# Altium PCB CarrierMotherboard.PcbDoc (part 6 of 6)
Units mm, origin at the board's own origin, x right, y up, seen from the top; angles counter-clockwise.
Board outline 152.4 x 101.6 mm, 8 copper layers (L1-CU, GND, L3-CU-PWR, L4-CU, L5-CU-GND, L6-CU, L7-CU-GND, L8-CU), stack 1.524 mm thick; 270 components, 270 nets, 1285 pads, 799 vias.
Unrouted connection lines stored in the file: 236.
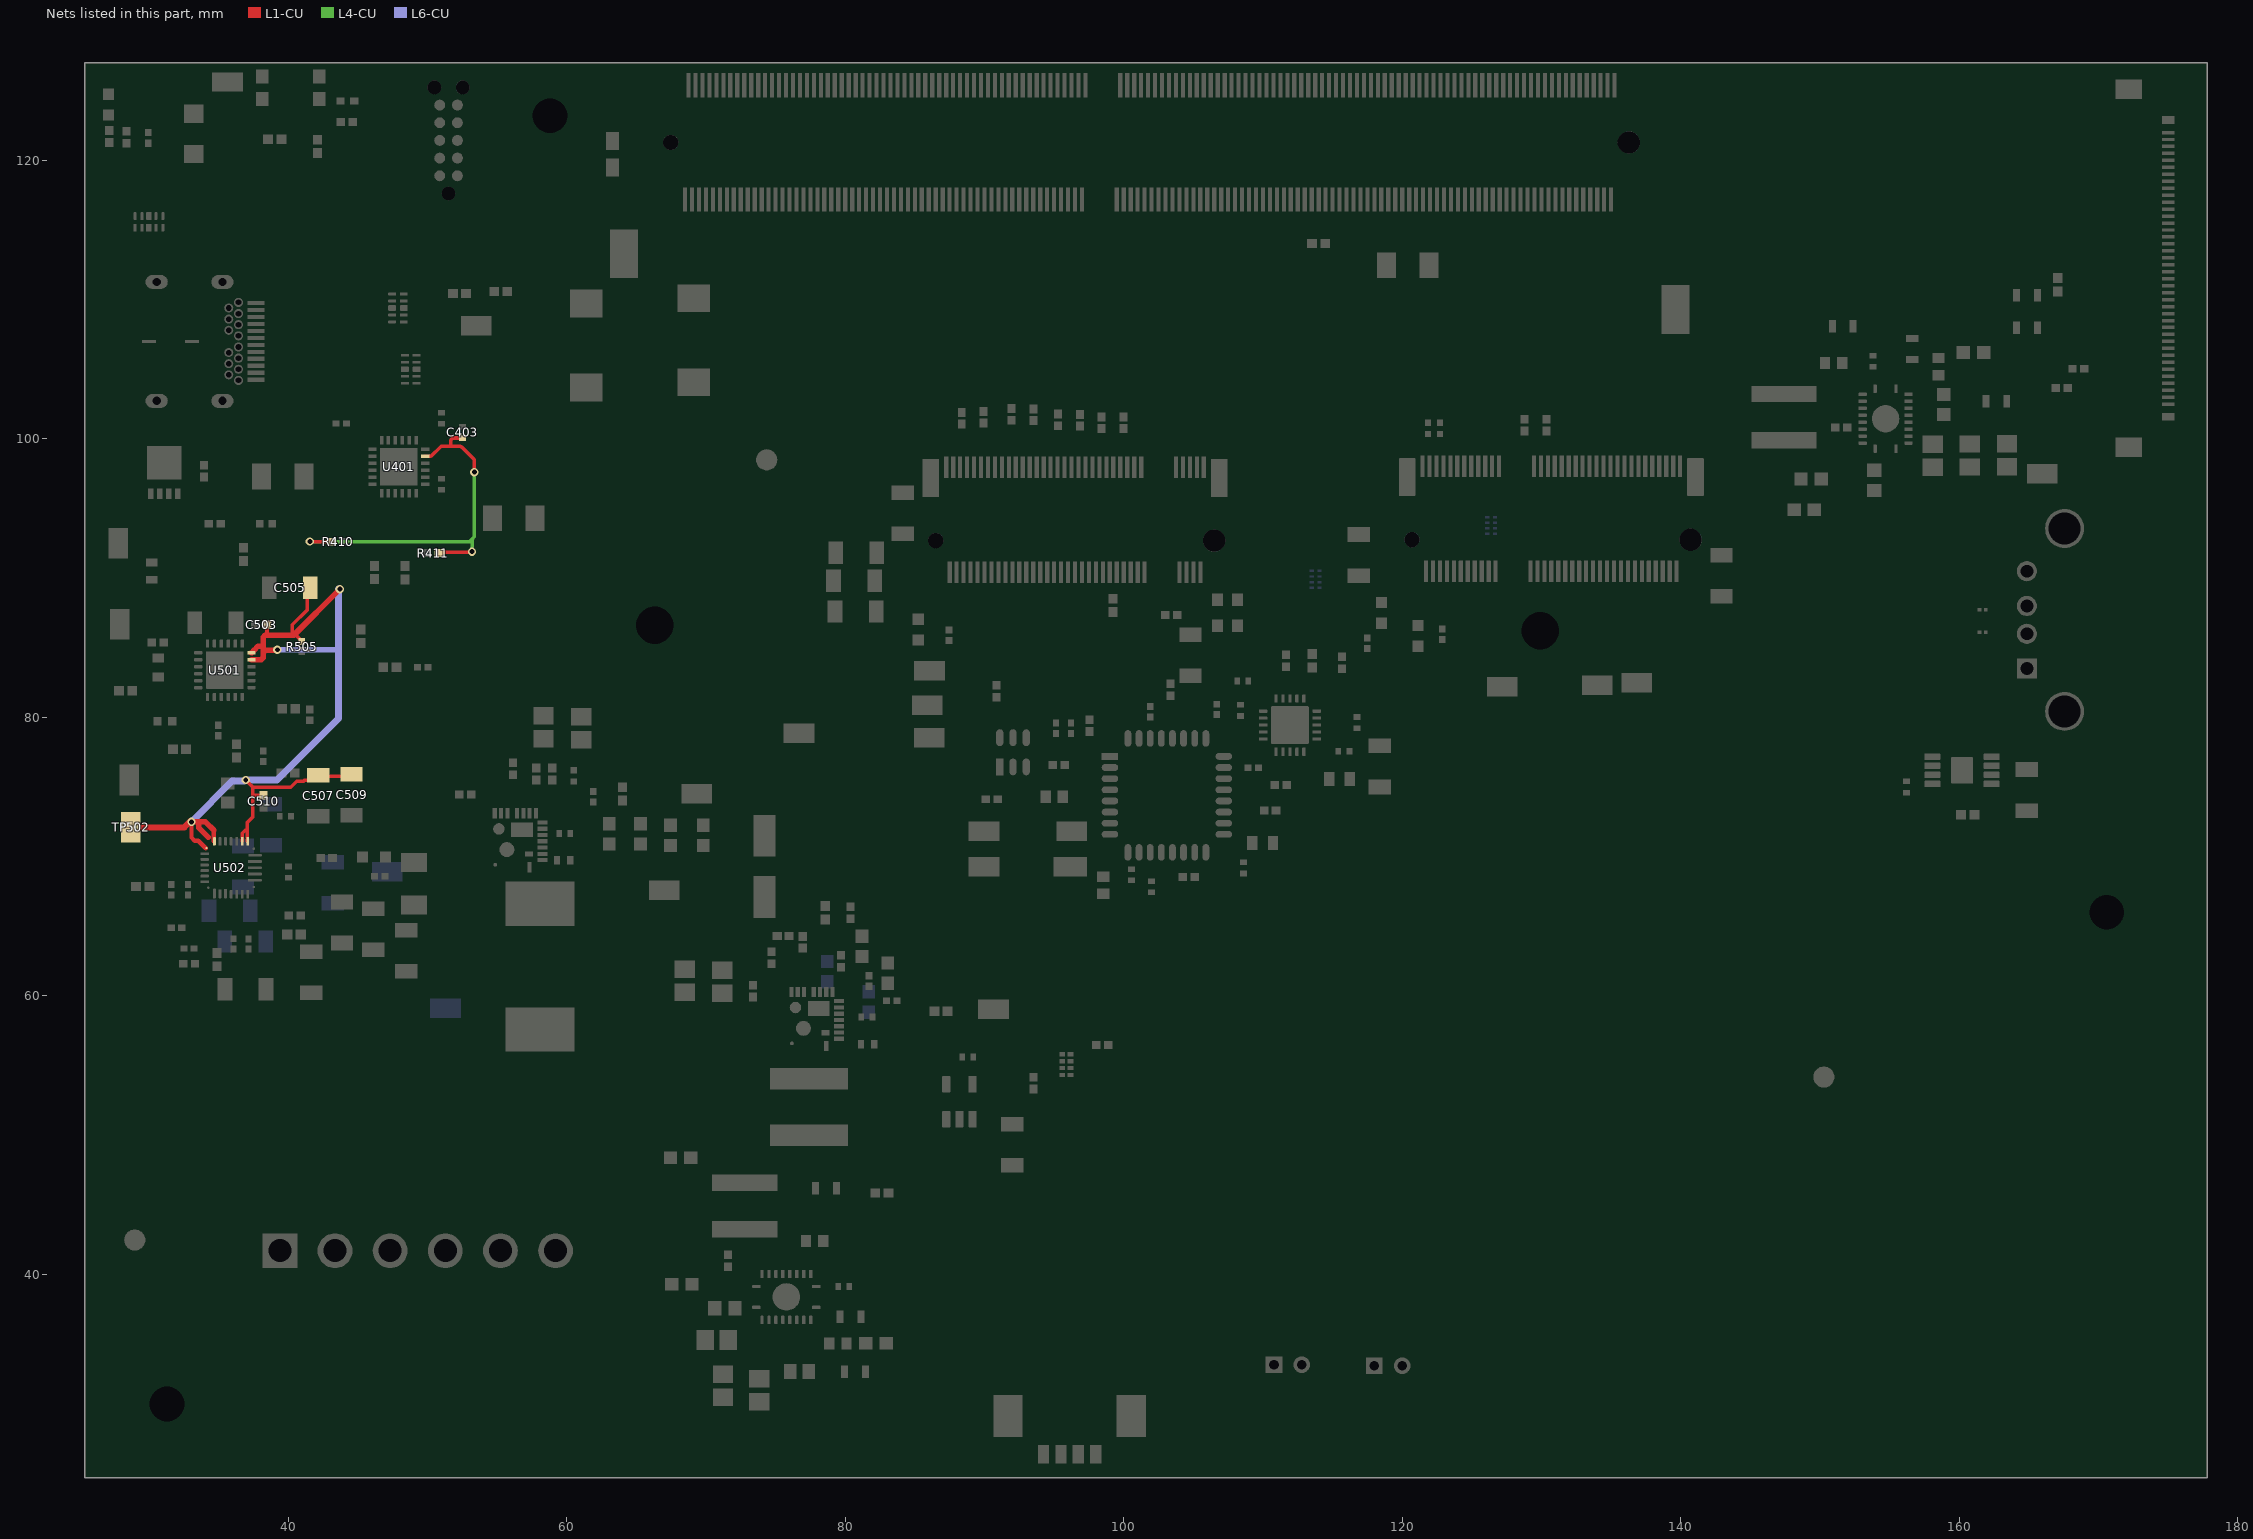
[diagram p12: the nets of this part, all layers, seen from the top]

## Via types
v1: diameter 0.6, hole 0.35, L1-CU to L8-CU, 799 vias

## Nets (pads, with @x,y where several pads share a name; then routed paths per layer and width w, separated by ;. In a path a pad name is that pad's centre, name@x,y a point inside that pad or via, vN(x,y) a via of type N, cw(c..) or ccw(c..) an arc to the next point about the centre after c; other vN are vias at no path point) (continued)
VREG2V7: C403.1 R410.2 R411.2 U401.23 | length 28
  L1-CU w0.254: v1(41.554,92.634) 41.588,92.6 R410.2@43.136,92.6 ; U401.23@49.85,98.75 49.852,98.752 50.252,98.752 50.98,99.48 51.671,99.48 ; R411.2@50.8,91.8 50.85,91.85 53.15,91.85 v1(53.2,91.9) ; C403.1@52.502,100.063 51.819,100.063 51.671,99.915 51.671,99.48 ; v1(53.365,97.612) 53.365,98.518 52.442,99.441 52.4,99.441 52.361,99.48 51.671,99.48
  L4-CU w0.254: v1(41.554,92.634) 41.588,92.6 53,92.6 53.2,92.8 ; v1(53.2,91.9) 53.2,92.8 ; v1(53.365,97.612) 53.365,92.965 53.2,92.8
VSYS_OUT: C503.1 C505.1 C507.1 C509.1 C510.1 R505.2 TP502.1 U501.17 U501.18 U502.2 U502.3 U502.8 U502.9 | length 69
  L1-CU w0.22: U502.3@36.7,71.1 36.7,71.682
  L1-CU w0.254: 36.7,71.682 36.918,71.9 36.953,71.9 37.053,72 ; v1(36.953,75.5) 37.469,74.984 ; U502.2@37.053,71.1 37.053,71.9 37.053,72 ; C510.1@38.167,74.41 37.507,74.41 37.469,74.447 ; 38.478,86.035 C503.1@38.478,86.665 ; R505.2@40.97,85.465 40.97,85.49 40.56,85.9 40.4,85.9 40.301,85.9 40.301,86.656 41.351,87.706 41.351,88.876 C505.1@41.682,89.206 ; C509.1@44.556,75.77 42.322,75.77 42.036,75.484 41.169,75.484 41.103,75.418 40.619,75.418 40.185,74.984 37.469,74.984 ; 37.053,72 37.053,72.451 37.469,72.867 37.469,74.447 ; 37.469,74.447 37.469,74.984
  L1-CU w0.3: v1(33.053,72.5) 33.053,71.369 33.285,71.138 33.54,71.138 U502.9@34.078,70.6 ; U502.8@34.653,71.1 34.653,71.9
  L1-CU w0.4: v1(33.053,72.5) 33.583,72.5 ; 34.253,71.4 33.583,72.07 33.583,72.5 ; 34.653,71.9 34.053,72.5 33.583,72.5 ; U501.17@37.363,84.138 38.051,84.138 38.2,84.286 38.2,84.643 ; U501.18@37.363,84.637 37.373,84.637 37.533,84.797 37.533,84.807 37.84,85.115 38.194,85.115 ; v1(39.218,84.861) 39.179,84.823 38.38,84.823 38.2,84.643 ; 40.301,85.9 38.343,85.9 38.194,85.751 38.194,85.115 ; 40.4,85.9 v1(43.707,89.206) ; 38.194,85.115 38.194,84.637 38.2,84.643
  L1-CU w0.45: TP502.1@28.653,72.1 32.529,72.1 v1@32.929,72.5
  L6-CU w0.254: 43.298,84.861 43.6,84.559
  L6-CU w0.4: v1(39.218,84.861) 43.298,84.861
  L6-CU w0.5: v1(33.053,72.5) 35.977,75.423 36.877,75.423 v1(36.953,75.5) 39.141,75.5 ; 39.188,75.5 43.6,79.912 43.6,84.559 v1@43.6,89.206
pads on no net: J15. J15.3 J15.4 J15.5 J15.6 J15.9 J15.10 J15.11 J15.12 J15.15 J15.16 J15.17 J15.18 J15.21 J15.22 J15.23 J15.24 J15.27 J15.28 J15.29 J15.30 J15.33 J15.34 J15.35 J15.36 J15.39 J15.40 J15.41 J15.42 J15.45 J15.46 J15.47 J15.48 J15.51 J15.52 J15.53 J15.54 J15.57 J15.58 J15.59 J15.60 J15.64 J15.66 J15.70 J15.72 J15.76 J15.78 J15.82 J15.84 J15.88 J15.89 J15.90 J15.91 J15.92 J15.93 J15.94 J15.95 J15.97 J15.104 J15.106 J15.108 J15.110 J15.112 J15.114 J15.116 J15.118 J15.120 J15.122 J15.126 J15.127 J15.128 J15.130 J15.143 J15.145 J15.161 J15.163 J15.166 J15.168 J15.184 J15.186 J15.188 J15.190 J15.192 J15.193 J15.194 J15.195 J15.196 J15.197 J15.198 J15.199 J15.202 J15.203 J15.204 J15.205 J15.206 J15.207 J15.209 J15.211 J15.212 J15.213 J15.215 J15.216 J15.217 J15.218 J15.219 J15.221 J15.223 J15.225 J15.227 J15.228 J15.229 J15.233 J15.235 J15.260 J15.261 J15.262 J301.1 J301.22 J301.34 J301.35 J301.40 J401.A8 J401.B8 J501.4 J701. J701.5 J701.6 J701.7 J701.8 J701.9 J701.10 J702.5 J702.6 J902. J902.6 J902.8 J902.20 J902.22 J902.24 J902.26 J902.28 J902.30 J902.32 J902.34 J902.36 J902.38 J902.46 J902.48 J902.56 J902.58 J902.67 J902.69 J902.76 J902.77 J902A. J902A.9 J902A.11 J902A.13 J902A.15 J902A.17 J902A.19 J902A.21 J902A.23 J902A.38 J902A.40 J902A.42 J902A.44 J902A.46 J902A.48 J902A.55 J902A.59 J902A.61 J902A.62 J902A.64 J902A.65 J902A.66 J902A.67 J902A.68 J902A.70 J902A.71 J902A.73 J902A.S1 J902A.S2 Q401.4 U301.11 U301.12 U301.13 U302.11 U302.12 U302.13 U302.20 U401.11 U401.14 U401.15 U401.17 U401.19 U401.20 U402.6 U402.7 U402.9 U402.10 U403.6 U403.7 U403.9 U403.10 U404.6 U404.7 U404.9 U404.10 U501.3 U501.4 U501.19 U501.20 U501.21 U501.22 U501.23 U501.24 U502.6 U502.7 U502.12 U601.10 U601.11 U601.14 U601.28 U603.10 U603.11 U603.14 U603.28 U702.4 U901.4 U901.5 U902.9 U902.10 U902.14 U902.16 U902.29 U902.31 U902.32 U903.16 U903.20

## Polygon pours and split planes (outlines as drawn)
GND on L7-CU-GND "GND_L07_P003" (solid, remove dead copper, pour order 3): 177.775,25.425 177.749,25.4 25.4,25.4 25.4,127 177.775,127
GND on L5-CU-GND "GND_L05_P002" (solid, remove dead copper, pour order 2): 177.775,25.425 177.749,25.4 25.4,25.4 25.4,127 177.775,127
GND on GND "GND_L02_P000" (solid, remove dead copper, pour order 0): 177.775,25.425 177.749,25.4 25.4,25.4 25.4,127 177.775,127

## Other copper
L3-CU-PWR:
  region net SYS_IN1: 68.35,120.1 68.35,126.75 68.3,126.8 69.656,126.8 69.656,119.956 69.6,119.9
  region net SYS_IN1: 75.616,66.04 75.794,65.862 77.978,65.862 77.978,66.802 77.902,66.878 77.876,66.853 75.616,66.853
  region net SYS_IN1: 75.768,61.849 75.819,61.9 75.819,66.827 74.651,66.827 74.498,66.675 74.622,66.551 74.622,61.917
  region net SYS_IN1: 68.4,123 66.5,123 66.5,126.5 68.4,126.5
  region net SYS_IN1: 67.278,113.822 67.3,113.845 67.3,120.1 69.4,120.1 69.6,119.9 69.6,115.4
  region net SYS_IN1: 62.332,81.559 64.465,110.528 68.624,115.4 71.1,115.4 71.1,104.894
  region net SYS_IN1: 63.26,97.993 50.191,79.679 50.985,78.885 53.5,81.4 63.932,81.4 63.932,97.993
  region net SYS_IN1: 47.5,72.45 47.5,78.1 57.4,84.1 55.7,78.3 53,72.45
  region net SYS_IN1: 54.127,75.463 55.397,75.463 55.397,74.172 55.288,74.062 55.207,74.143 53.645,74.143
  region net SYS_IN1: 47.5,70.95 53,70.95 53,72.45 47.5,72.45
  region net SYS_IN1: 42,69 42,71.2 52.6,71.2 52.6,69
  region net SYS_IN1: 66.482,56.979 65.879,84.18 63.8,83.58 63.964,57.399
  region net SYS_IN1: 43.453,66 40.453,66 40.453,69 43.453,69
  region net SYS_IN1: 66.6,61.9 66.9,62 76.9,62 76.9,61.1 77,61 66.7,61
  region net SYS_IN1: 65.964,58.801 66.015,58.852 73.152,58.852 73.152,57.302 73,57.15 65.762,57.15
  region net SYS_IN1: 66.883,61 65.8,61 65.8,61.9 67.033,61.9
  region net 3V3_M2: 55.519,56.581 53.52,58.58 45.202,58.58 47.156,56.626
  region net 3V3_M2: 34.953,64.9 35.153,64.7 37.453,64.7 37.453,61.1 34.953,63.6
  region net 3V3_M2: 46.003,60.586 37.003,60.586 37.003,61.842 46.003,61.842
  region net 3V3_M2: 31.653,66.4 31.653,65.7 32.853,65.7 32.853,66.4
  region net 3V3_M2: 47.019,64.819 45.441,63.241 45.441,57.781 46.981,57.781
  region net 3V3_M2: 34.039,72.547 35.02,71.567 34.953,63.6 32.74,65.813
  region net 3V3_M2: 46.953,67.996 46.953,61 45.953,61 45.953,67.996
  region net 3V3_M2: 63.5,53.7 52.8,53.7 52.8,58.5 53.1,58.8 63.5,58.8
  region net 3V3_M2: 61.722,58.699 61.697,58.725 61.62,58.725 61.62,71.577 60.782,71.577 60.782,58.471 60.986,58.267
  region net 3V3_M2: 59.792,71.45 62.4,71.45 62.4,74.35 59.792,74.35
  region net 3V3_M2: 46,77.6 38,77.6 38,78 46,78
  region net 3V3_M2: 38,78 38,80 39,80 39,78
  region net 3V3_M2: 45.012,78.14 46.074,77.464 52.065,83.679 51.4,84
  region net 5V_OUT: 80.5,50.1 87.3,50.1 87.3,48.3 80.5,48.3
  region net 5V_OUT: 87.742,48.3 95.275,40.767 95.275,37.211 93.802,37.211 86.03,44.983 86.03,48.3
  region net 5V_OUT: 70.51,52 70.51,47.1 80.4,47.1 80.5,47.1 80.5,52
  region net 5V_OUT: 79.7,51.9 78.8,51.9 78.8,60.1 79.7,60.1
  region net 5V_OUT: 88.367,63.043 87.96,62.636 87.96,60.731 105.131,60.731 106.731,62.332 106.68,62.382 106.68,63.754
  region net 5V_OUT: 78.227,63.373 78.4,63.2 78.4,59.9 88.039,59.9 88.772,66.602
  region net 5V_OUT: 91.956,62.933 91.491,63.398 91.491,75.336 90.5,75.336 90.5,63.045
  region net 5V_OUT: 91.084,80.67 91.084,79.299 93.878,79.299 93.878,80.645
  region net 5V_OUT: 92.775,80.239 93.828,80.239 98.704,75.362 98.222,74.879 96.215,74.879 94.717,76.378 94.717,78.54
  region net 5V_OUT: 94.564,37.236 96.926,37.236 97.13,37.033 97.13,28.88 94.869,28.88 93.751,29.997 93.751,37.211
  region net 5V_OUT: 98.069,76.022 105.029,76.022 105.175,75.877 105.175,74.93 98.03,74.93 97.9,74.8
  region net 5V_OUT: 97.039,77.699 96.037,77.699 96.037,77.089 96.215,76.911 96.876,76.911
  region net 5V_OUT: 105.042,76.01 105.08,76.048 105.08,79.121 107.188,79.121 108.179,78.13 105.512,75.463 105.054,75.463
  region net 5V_OUT: 154.254,63.895 154.254,76.657 151.867,76.657 151.867,64.332
  region net 5V_OUT: 106.68,63.754 105.943,63.017 105.943,61.519 155.346,61.519 155.804,61.976 155.804,64.465
  region net 5V_OUT: 155.397,67.945 151.435,63.983 147.65,63.983 147.65,94.64 149.962,96.952 152.857,94.056 152.857,75.565
  region net 5V_OUT: 107.009,79.006 107.112,79.108 107.112,82.004 106.909,82.182 106.832,82.182 106.197,82.182 106.197,79.108 106.408,78.898
  pour cut-out: 156.261,77.292 156.286,77.267 157.15,77.267
  pour cut-out: 115.24,84.658 115.24,83.922 115.189,83.871
L6-CU:
  region net 3V3_M2: 54.3,59 54.3,54.3 62.6,54.3 62.5,54.4 62.5,59
  region net 3V3_M2: 62.967,64.16 75.565,64.16 75.565,65.535 75.373,65.727 75.305,65.659 62.916,65.659
  region net 3V3_M2: 61.9,59 61.9,67 62,67 63.2,67 63.2,59 62.2,58
  region net 3V3_M2: 63.1,66.969 63.1,65.5 76,65.5 76.91,67.321
  region net 3V3_M2: 76.524,66.494 77.252,68.464 78.842,70.053 76.005,70.053
  region net 3V3_M2: 76.6,66.7 76.5,66.6 75.5,66.6 75.5,71 75.6,70.9 76.7,70.9
  region net 3V3_M2: 89.9,70 75.5,70 75.5,71 89.8,71
  region net 3V3_M2: 88.062,70.993 88.062,77.089 89.052,78.08 89.052,70.891
  region net 3V3_M2: 90.125,87.492 88.875,87.492 88.875,70.192 89.903,69.164
  region net 3V3_M2: 90.747,85.936 88.643,88.574 85.562,88.205
  region net 3V3_M2: 88.748,88.367 88.748,87.351 89.103,86.995 89.281,87.173 90.602,87.173 90.602,88.113 90.322,88.392
  region net 3V3_M2: 90.17,88.214 91.618,89.662 91.618,91.313 85.471,91.313 85.496,91.288 85.496,88.138 86.335,88.138 86.36,88.163
  region net 3V3_M2: 90.093,88.071 92.949,88.263 92.862,90.5 91.567,92.481 87.909,92.481 86.639,91.211
  region net 3V3_M2: 89.801,83.16 111.1,83.16 111.1,84.709 90.475,84.709 89.747,83.981
  region net 3V3_M2: 107.086,84.176 107.086,85.877 106.35,85.877 106.375,85.852 106.375,84.15
  region net 3V3_M2: 107.772,84.007 107.772,85.894 108.56,85.894 108.56,84.025 108.541,84.007
  region net 3V3_M2: 91.694,83.972 91.694,88.214 91.821,88.341 90.068,88.341 90.068,84.226 89.865,84.023
  region net 3V3_M2: 105.664,84.099 105.791,84.226 105.791,91.084 103.226,91.084 103.226,83.998
  region net 3V3_M2: 157.15,77.267 157.15,76.254 159.926,72.342 156.203,71.292 155.733,77.307
  region net 3V3_M2: 156.82,72.898 156.82,72.492 159.512,72.492 159.36,72.644 159.36,73.304 156.845,73.304
  region net 3V3_M2: 121.292,84.093 120.65,84.734 120.65,91.288 118.897,91.288 118.872,91.262 118.923,91.211 118.923,84.059
  region net 3V3_M2: 110.973,84.785 111.379,84.379 156.945,84.379 156.29,83.16 110.947,83.16 110.947,84.76
  region net 3V3_M2: 142.265,84.099 142.265,91.592 138.938,91.592 138.938,84.099
  region net 3V3_M2: 157.201,84.734 154.915,84.734 154.915,77.521 155.169,77.267 157.201,77.267
  region net 3V3_M2: 155.626,81.382 158.318,81.382 158.318,88.316 157.836,88.798 155.397,88.798 155.397,81.61
  region net 3V3_M2: 156.261,86.411 163.068,93.218 163.068,96.825 160.782,96.825 156.261,92.304
  region net 3V3_M2: 120.167,91.288 120.828,91.948 123.901,91.948 123.901,89.535 123.749,89.687 120.294,89.687
  region net 3V3_M2: 176.53,111.862 176.53,113.589 176.479,113.64 169.342,113.64 169.342,111.785
  region net 3V3_M2: 170.459,111.811 170.459,105.715 170.434,105.689 166.599,105.689 166.599,109.753 168.631,111.785
  region net 3V3_M2: 165.204,104.318 167.259,104.318 167.259,106.223 167.107,106.223 165.152,106.223
  region net 3V3_M2: 163.043,96.774 163.195,96.926 163.195,103.099 161.392,103.099 160.934,102.641 160.934,96.774
  region net 3V3_M2: 161.747,103.022 161.874,103.149 161.874,105.08 165.252,105.08 165.252,105.029 165.252,104.877 165.252,103.022
  region net 1V8_LDO: 27.03,67.335 26.191,67.335 26.191,69.52 26.623,69.52
  region net 1V8_LDO: 96.545,54.712 96.571,54.737 98.654,54.737 98.654,55.804 98.695,55.845 97.291,55.845
  region net 1V8_LDO: 93.243,55.22 93.869,55.845 97.291,55.845 97.384,55.753 97.358,55.728 97.358,55.321 97.155,55.321 96.545,54.712 92.634,54.712
  region net 1V8_LDO: 88.722,55.232 88.697,55.207 88.697,54.686 92.71,54.686 93.256,55.232
  region net 1V8_LDO: 84.633,56.515 84.633,54.051 84.658,54.026 88.722,54.026 88.722,56.439 88.697,56.464
  region net 1V8_LDO: 86.851,55.05 85.75,53.95 85.75,49.936 75.743,49.936 75.743,54.458
  region net 1V8_LDO: 38.811,117.627 38.811,116.307 49.784,116.307 50.038,116.307 50.063,117.627
  region net 1V8_LDO: 76.137,51.054 28.169,51.054 28.169,52.197 76.255,52.197
  region net 1V8_LDO: 28.169,52.197 28.219,52.248 28.219,68.732 26.467,68.78 27.28,66.676 27.28,51.079 28.143,51.079 28.169,51.054
  region net 6V0_OUT: 172.738,95.268 172.509,95.496 171.29,96.716 170.881,96.891 170.396,96.406 172.316,94.485
  region net 6V0_OUT: 168.3,99.187 168.3,102.667 168.885,102.667 168.91,102.641 168.808,102.54 168.808,99.085
  region net 6V0_OUT: 168.819,102.667 172.136,102.667 172.161,102.641 172.034,102.514 172.034,102.108 168.91,102.108 168.762,101.96
  region net 6V0_OUT: 171.069,96.342 171.069,96.799 168.681,99.187 168.3,99.187 168.3,98.501 170.764,96.037
  region net 6V0_OUT: 172.136,102.667 172.237,102.768 172.237,104.089 171.831,104.089 171.196,103.454 171.196,102.667
  region net 6V0_OUT: 83.287,35.789 83.287,43.383 82.677,43.383 82.22,42.926 82.22,35.814
  region net 6V0_OUT: 76.391,34.95 83.274,34.95 83.274,36.119 76.111,36.119 75.977,35.985
  region net 6V0_OUT: 72.542,36.322 72.542,33.553 76.429,33.553 76.403,33.579 76.403,36.271
  region net 6V0_OUT: 173.14,69.507 172.911,95.275 171.552,95.275 171.552,69.446
  region net 6V0_OUT: 166.202,69.612 166.202,68.097 174.549,68.351 174.574,68.402 174.574,68.605 174.574,69.596
  region net 6V0_OUT: 166.202,42.961 164.532,42.961 164.516,42.977 165.049,43.51 165.049,69.612 166.202,69.612
  region net 6V0_OUT: 82.652,43.378 82.652,42.479 166.202,41.986 166.202,42.961

## Silkscreen, mask and mechanical layers (free items; w line width, h text height)
Top Overlay:
  text "eDP" at 151.563,118.528 h1.52
  text "USB PD" at 50.698,103.073 h1.52
  text "M.2 SSD" at 75.176,96.745 h1.52 r270
  text "WIFI/BT" at 148.438,81.813 h1.52 r90
  text "3V3 DCDC" at 57.115,81.582 h1.52
  text "USB AUDIO" at 117.323,71.323 h1.52
  text "5V0 DCDC" at 85.7,61.366 h1.52
  text "SYS IN RAIL" at 29.769,55.728 h1.52
Top Assembly:
  lines w0.2: 62.775,106.299 62.775,126.3 140.975,126.3 140.975,106.299 62.775,106.299
  text ".Designator" at 101.875,113.288 h1
Top 3D Body:
  lines w0.2: 63.7,106.477 63.7,126.2 140.05,126.2 140.05,106.477 63.7,106.477
Top Courtyard:
  lines w0.2: 62.775,106.299 140.975,106.299 140.975,126.3 62.775,126.3 62.775,106.299
Top Component Center:
  lines w0.1: 101.375,113.1 102.375,113.1 ; 101.875,112.6 101.875,113.6

## Text inside footprints (layer, text, board x,y; h text height)
J401: Mechanical 2 "PCB Edge" at 26.15,108.7 h0.61 r270
TP9: Top Assembly "tp605" at 67,67.589 h1